# Altium PCB higgs.PcbDoc (part 2 of 25)
Units mm, origin at the board's own origin, x right, y up, seen from the top; angles counter-clockwise.
Board outline 160 x 160 mm, 15 copper layers (TOP, P1(GND), S1(V), P2(GND), S2(H), P3(GND), S3(V12/V2V5), S4(VDDR), P4(GND), S5(V), P5(GND), S6(H), P6(GND), P1(GND) (Plane1), BOT), stack 3.262 mm thick; 1283 components, 2419 nets, 11066 pads, 5487 vias.
Unrouted connection lines stored in the file: 239.
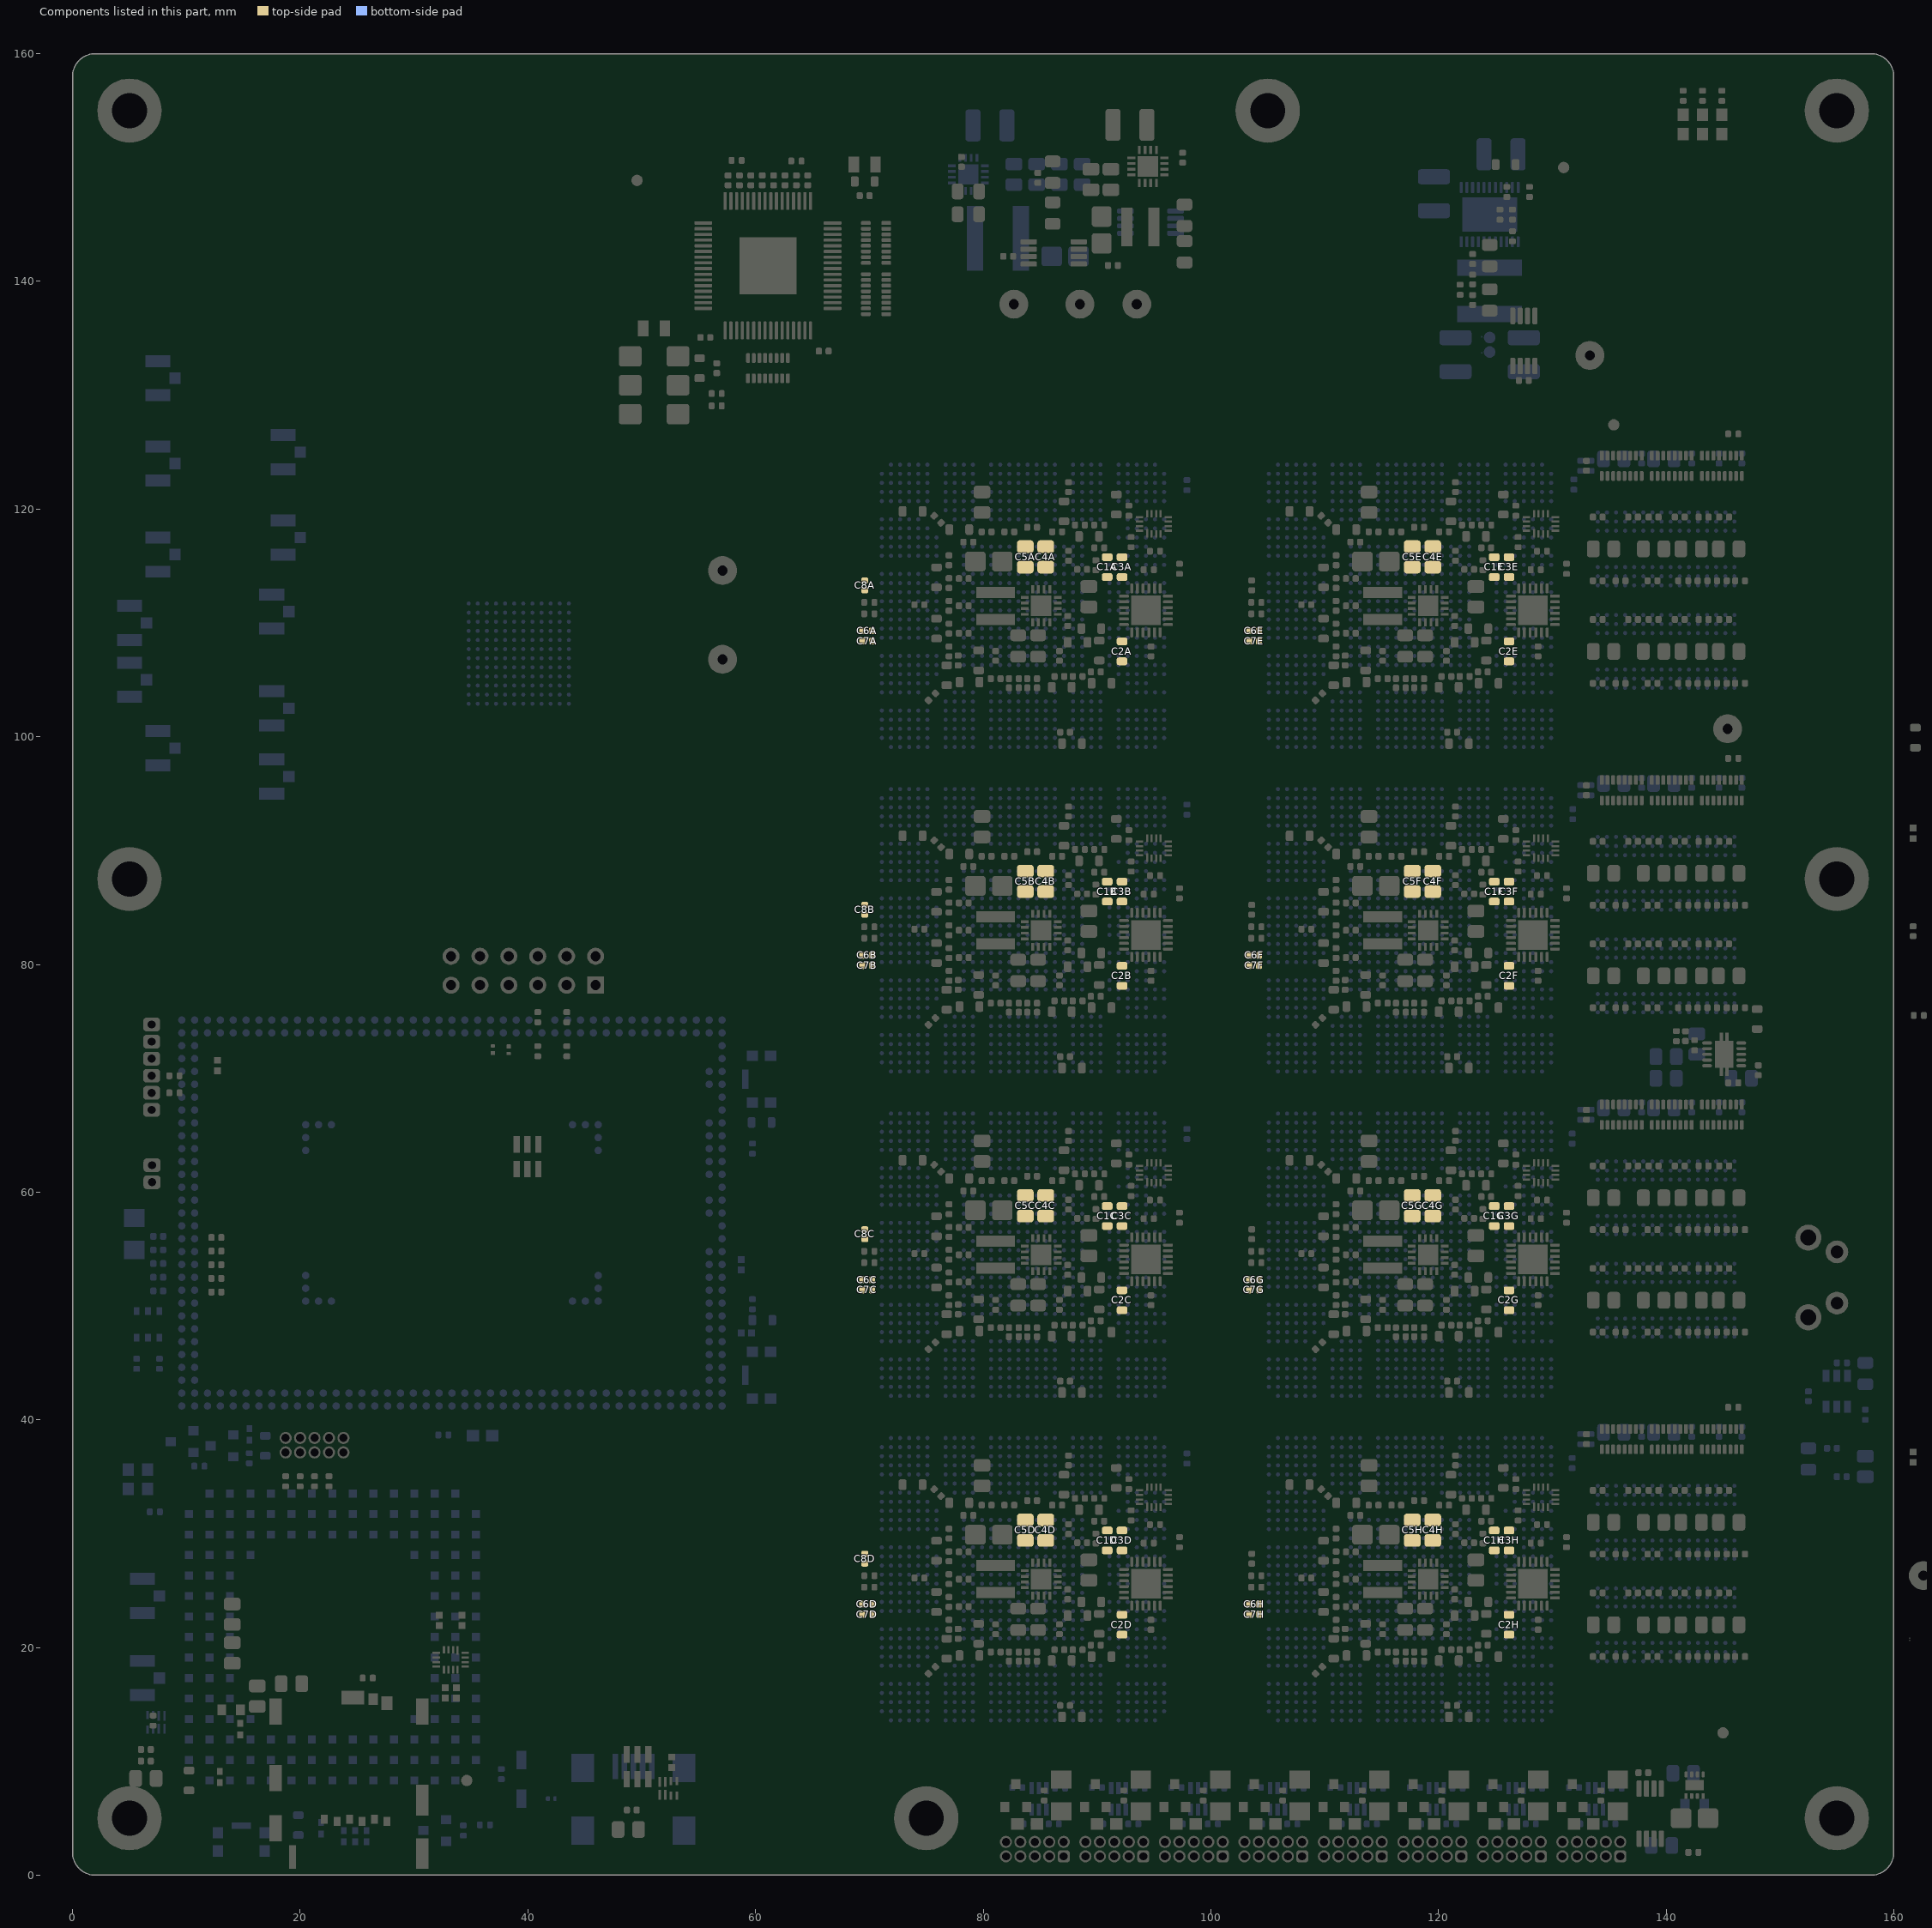
[diagram p15: the components of this part, seen from the top]

## Classes and differential pairs (continued)
net class loose: IL07_30.LR.G0.D0_N IL07_30.LR.G0.D0_P IL07_30.LR.G0.D1_N IL07_30.LR.G0.D1_P IL07_30.LR.G0.D2_N IL07_30.LR.G0.D2_P IL07_30.LR.G0.D3_N IL07_30.LR.G0.D3_P IL07_30.LR.G0.D4_N IL07_30.LR.G0.D4_P IL07_30.LR.G0.S_N IL07_30.LR.G0.S_P IL07_30.LR.G1.D0_N IL07_30.LR.G1.D0_P IL07_30.LR.G1.D1_N IL07_30.LR.G1.D1_P IL07_30.LR.G1.D2_N IL07_30.LR.G1.D2_P IL07_30.LR.G1.D3_N IL07_30.LR.G1.D3_P IL07_30.LR.G1.D4_N IL07_30.LR.G1.D4_P IL07_30.LR.G1.S_N IL07_30.LR.G1.S_P IL07_30.LR.G2.D0_N IL07_30.LR.G2.D0_P IL07_30.LR.G2.D1_N IL07_30.LR.G2.D1_P IL07_30.LR.G2.D2_N IL07_30.LR.G2.D2_P IL07_30.LR.G2.D3_N IL07_30.LR.G2.D3_P IL07_30.LR.G2.D4_N IL07_30.LR.G2.D4_P IL07_30.LR.G2.S_N IL07_30.LR.G2.S_P IL07_30.LR.G3.D0_N IL07_30.LR.G3.D0_P IL07_30.LR.G3.D1_N IL07_30.LR.G3.D1_P IL07_30.LR.G3.D2_N IL07_30.LR.G3.D2_P IL07_30.LR.G3.D3_N IL07_30.LR.G3.D3_P IL07_30.LR.G3.D4_N IL07_30.LR.G3.D4_P IL07_30.LR.G3.S_N IL07_30.LR.G3.S_P IL07_30.TB.G8.D0_N IL07_30.TB.G8.D0_P IL07_30.TB.G8.D1_N IL07_30.TB.G8.D1_P IL07_30.TB.G8.D2_N IL07_30.TB.G8.D2_P IL07_30.TB.G8.D3_N IL07_30.TB.G8.D3_P IL07_30.TB.G13.C_N IL07_30.TB.G13.C_P IL07_30.TB.G13.D0_N IL07_30.TB.G13.D0_P IL07_30.TB.G13.D1_N IL07_30.TB.G13.D1_P IL07_30.TB.G13.D2_N IL07_30.TB.G13.D2_P IL07_30.TB.G13.D3_N IL07_30.TB.G13.D3_P IL07_30.TB.G13.D4_N IL07_30.TB.G13.D4_P IL07_30.TB.G13.D5_N IL07_30.TB.G13.D5_P IL07_31.LR.G0.D0_N IL07_31.LR.G0.D0_P IL07_31.LR.G0.D1_N IL07_31.LR.G0.D1_P IL07_31.LR.G0.D2_N IL07_31.LR.G0.D2_P IL07_31.LR.G0.D3_N IL07_31.LR.G0.D3_P IL07_31.LR.G0.D4_N IL07_31.LR.G0.D4_P IL07_31.LR.G0.S_N IL07_31.LR.G0.S_P IL07_31.LR.G1.D0_N IL07_31.LR.G1.D0_P IL07_31.LR.G1.D1_N IL07_31.LR.G1.D1_P IL07_31.LR.G1.D2_N IL07_31.LR.G1.D2_P IL07_31.LR.G1.D3_N IL07_31.LR.G1.D3_P IL07_31.LR.G1.D4_N IL07_31.LR.G1.D4_P IL07_31.LR.G1.S_N IL07_31.LR.G1.S_P IL07_31.LR.G2.D0_N IL07_31.LR.G2.D0_P IL07_31.LR.G2.D1_N IL07_31.LR.G2.D1_P IL07_31.LR.G2.D2_N IL07_31.LR.G2.D2_P IL07_31.LR.G2.D3_N IL07_31.LR.G2.D3_P IL07_31.LR.G2.D4_N IL07_31.LR.G2.D4_P IL07_31.LR.G2.S_N IL07_31.LR.G2.S_P IL07_31.LR.G3.D0_N IL07_31.LR.G3.D0_P IL07_31.LR.G3.D1_N IL07_31.LR.G3.D1_P IL07_31.LR.G3.D2_N IL07_31.LR.G3.D2_P IL07_31.LR.G3.D3_N IL07_31.LR.G3.D3_P IL07_31.LR.G3.D4_N IL07_31.LR.G3.D4_P IL07_31.LR.G3.S_N IL07_31.LR.G3.S_P IL07_31.TB.G8.D0_N IL07_31.TB.G8.D0_P IL07_31.TB.G8.D1_N IL07_31.TB.G8.D1_P IL07_31.TB.G8.D2_N IL07_31.TB.G8.D2_P IL07_31.TB.G8.D3_N IL07_31.TB.G8.D3_P IL07_31.TB.G13.C_N IL07_31.TB.G13.C_P IL07_31.TB.G13.D0_N IL07_31.TB.G13.D0_P IL07_31.TB.G13.D1_N IL07_31.TB.G13.D1_P IL07_31.TB.G13.D2_N IL07_31.TB.G13.D2_P IL07_31.TB.G13.D3_N IL07_31.TB.G13.D3_P IL07_31.TB.G13.D4_N IL07_31.TB.G13.D4_P IL07_31.TB.G13.D5_N IL07_31.TB.G13.D5_P IL07_32.LR.G0.D0_N IL07_32.LR.G0.D0_P IL07_32.LR.G0.D1_N IL07_32.LR.G0.D1_P IL07_32.LR.G0.D2_N IL07_32.LR.G0.D2_P IL07_32.LR.G0.D3_N IL07_32.LR.G0.D3_P IL07_32.LR.G0.D4_N IL07_32.LR.G0.D4_P IL07_32.LR.G0.S_N IL07_32.LR.G0.S_P IL07_32.LR.G1.D0_N IL07_32.LR.G1.D0_P IL07_32.LR.G1.D1_N IL07_32.LR.G1.D1_P IL07_32.LR.G1.D2_N IL07_32.LR.G1.D2_P IL07_32.LR.G1.D3_N IL07_32.LR.G1.D3_P IL07_32.LR.G1.D4_N IL07_32.LR.G1.D4_P IL07_32.LR.G1.S_N IL07_32.LR.G1.S_P IL07_32.LR.G2.D0_N IL07_32.LR.G2.D0_P IL07_32.LR.G2.D1_N IL07_32.LR.G2.D1_P IL07_32.LR.G2.D2_N IL07_32.LR.G2.D2_P IL07_32.LR.G2.D3_N IL07_32.LR.G2.D3_P IL07_32.LR.G2.D4_N IL07_32.LR.G2.D4_P IL07_32.LR.G2.S_N IL07_32.LR.G2.S_P IL07_32.LR.G3.D0_N IL07_32.LR.G3.D0_P IL07_32.LR.G3.D1_N IL07_32.LR.G3.D1_P IL07_32.LR.G3.D2_N IL07_32.LR.G3.D2_P IL07_32.LR.G3.D3_N IL07_32.LR.G3.D3_P IL07_32.LR.G3.D4_N IL07_32.LR.G3.D4_P IL07_32.LR.G3.S_N IL07_32.LR.G3.S_P IL07_32.TB.G8.D0_N IL07_32.TB.G8.D0_P IL07_32.TB.G8.D1_N IL07_32.TB.G8.D1_P IL07_32.TB.G8.D2_N IL07_32.TB.G8.D2_P IL07_32.TB.G8.D3_N IL07_32.TB.G8.D3_P IL07_32.TB.G13.C_N IL07_32.TB.G13.C_P IL07_32.TB.G13.D0_N IL07_32.TB.G13.D0_P IL07_32.TB.G13.D1_N IL07_32.TB.G13.D1_P IL07_32.TB.G13.D2_N IL07_32.TB.G13.D2_P IL07_32.TB.G13.D3_N IL07_32.TB.G13.D3_P IL07_32.TB.G13.D4_N IL07_32.TB.G13.D4_P IL07_32.TB.G13.D5_N IL07_32.TB.G13.D5_P IL07_33.LR.G0.D0_N IL07_33.LR.G0.D0_P IL07_33.LR.G0.D1_N IL07_33.LR.G0.D1_P IL07_33.LR.G0.D2_N IL07_33.LR.G0.D2_P IL07_33.LR.G0.D3_N IL07_33.LR.G0.D3_P IL07_33.LR.G0.D4_N IL07_33.LR.G0.D4_P IL07_33.LR.G0.S_N IL07_33.LR.G0.S_P IL07_33.LR.G1.D0_N IL07_33.LR.G1.D0_P IL07_33.LR.G1.D1_N IL07_33.LR.G1.D1_P IL07_33.LR.G1.D2_N IL07_33.LR.G1.D2_P IL07_33.LR.G1.D3_N IL07_33.LR.G1.D3_P IL07_33.LR.G1.D4_N IL07_33.LR.G1.D4_P IL07_33.LR.G1.S_N IL07_33.LR.G1.S_P IL07_33.LR.G2.D0_N IL07_33.LR.G2.D0_P IL07_33.LR.G2.D1_N IL07_33.LR.G2.D1_P IL07_33.LR.G2.D2_N IL07_33.LR.G2.D2_P IL07_33.LR.G2.D3_N IL07_33.LR.G2.D3_P IL07_33.LR.G2.D4_N IL07_33.LR.G2.D4_P IL07_33.LR.G2.S_N IL07_33.LR.G2.S_P IL07_33.LR.G3.D0_N IL07_33.LR.G3.D0_P IL07_33.LR.G3.D1_N IL07_33.LR.G3.D1_P IL07_33.LR.G3.D2_N IL07_33.LR.G3.D2_P IL07_33.LR.G3.D3_N IL07_33.LR.G3.D3_P IL07_33.LR.G3.D4_N IL07_33.LR.G3.D4_P IL07_33.LR.G3.S_N IL07_33.LR.G3.S_P IL07_33.TB.G8.D0_N IL07_33.TB.G8.D0_P IL07_33.TB.G8.D1_N IL07_33.TB.G8.D1_P IL07_33.TB.G8.D2_N IL07_33.TB.G8.D2_P IL07_33.TB.G8.D3_N IL07_33.TB.G8.D3_P IL07_33.TB.G13.C_N IL07_33.TB.G13.C_P IL07_33.TB.G13.D0_N IL07_33.TB.G13.D0_P IL07_33.TB.G13.D1_N IL07_33.TB.G13.D1_P IL07_33.TB.G13.D2_N IL07_33.TB.G13.D2_P IL07_33.TB.G13.D3_N IL07_33.TB.G13.D3_P IL07_33.TB.G13.D4_N IL07_33.TB.G13.D4_P IL07_33.TB.G13.D5_N IL07_33.TB.G13.D5_P IL12_20.LR.G0.D0_N IL12_20.LR.G0.D0_P IL12_20.LR.G0.D1_N IL12_20.LR.G0.D1_P IL12_20.LR.G0.D2_N IL12_20.LR.G0.D2_P IL12_20.LR.G0.D3_N IL12_20.LR.G0.D3_P IL12_20.LR.G0.D4_N IL12_20.LR.G0.D4_P IL12_20.LR.G0.S_N IL12_20.LR.G0.S_P IL12_20.LR.G1.D0_N IL12_20.LR.G1.D0_P IL12_20.LR.G1.D1_N IL12_20.LR.G1.D1_P IL12_20.LR.G1.D2_N IL12_20.LR.G1.D2_P IL12_20.LR.G1.D3_N IL12_20.LR.G1.D3_P IL12_20.LR.G1.D4_N IL12_20.LR.G1.D4_P IL12_20.LR.G1.S_N IL12_20.LR.G1.S_P IL12_20.LR.G2.D0_N IL12_20.LR.G2.D0_P IL12_20.LR.G2.D1_N IL12_20.LR.G2.D1_P IL12_20.LR.G2.D2_N IL12_20.LR.G2.D2_P IL12_20.LR.G2.D3_N IL12_20.LR.G2.D3_P IL12_20.LR.G2.D4_N IL12_20.LR.G2.D4_P IL12_20.LR.G2.S_N IL12_20.LR.G2.S_P IL12_20.LR.G3.D0_N IL12_20.LR.G3.D0_P IL12_20.LR.G3.D1_N IL12_20.LR.G3.D1_P IL12_20.LR.G3.D2_N IL12_20.LR.G3.D2_P IL12_20.LR.G3.D3_N IL12_20.LR.G3.D3_P IL12_20.LR.G3.D4_N IL12_20.LR.G3.D4_P IL12_20.LR.G3.S_N IL12_20.LR.G3.S_P IL12_20.TB.G8.D0_N IL12_20.TB.G8.D0_P IL12_20.TB.G8.D1_N IL12_20.TB.G8.D1_P IL12_20.TB.G8.D2_N IL12_20.TB.G8.D2_P IL12_20.TB.G8.D3_N IL12_20.TB.G8.D3_P IL12_20.TB.G13.C_N IL12_20.TB.G13.C_P IL12_20.TB.G13.D0_N IL12_20.TB.G13.D0_P IL12_20.TB.G13.D1_N IL12_20.TB.G13.D1_P IL12_20.TB.G13.D2_N IL12_20.TB.G13.D2_P IL12_20.TB.G13.D3_N IL12_20.TB.G13.D3_P IL12_20.TB.G13.D4_N IL12_20.TB.G13.D4_P IL12_20.TB.G13.D5_N IL12_20.TB.G13.D5_P IL12_21.LR.G0.D0_N IL12_21.LR.G0.D0_P IL12_21.LR.G0.D1_N IL12_21.LR.G0.D1_P IL12_21.LR.G0.D2_N IL12_21.LR.G0.D2_P IL12_21.LR.G0.D3_N IL12_21.LR.G0.D3_P IL12_21.LR.G0.D4_N IL12_21.LR.G0.D4_P IL12_21.LR.G0.S_N IL12_21.LR.G0.S_P IL12_21.LR.G1.D0_N IL12_21.LR.G1.D0_P IL12_21.LR.G1.D1_N IL12_21.LR.G1.D1_P IL12_21.LR.G1.D2_N IL12_21.LR.G1.D2_P IL12_21.LR.G1.D3_N IL12_21.LR.G1.D3_P IL12_21.LR.G1.D4_N IL12_21.LR.G1.D4_P IL12_21.LR.G1.S_N IL12_21.LR.G1.S_P IL12_21.LR.G2.D0_N IL12_21.LR.G2.D0_P IL12_21.LR.G2.D1_N IL12_21.LR.G2.D1_P IL12_21.LR.G2.D2_N IL12_21.LR.G2.D2_P IL12_21.LR.G2.D3_N IL12_21.LR.G2.D3_P IL12_21.LR.G2.D4_N IL12_21.LR.G2.D4_P IL12_21.LR.G2.S_N IL12_21.LR.G2.S_P IL12_21.LR.G3.D0_N IL12_21.LR.G3.D0_P IL12_21.LR.G3.D1_N IL12_21.LR.G3.D1_P IL12_21.LR.G3.D2_N IL12_21.LR.G3.D2_P IL12_21.LR.G3.D3_N IL12_21.LR.G3.D3_P IL12_21.LR.G3.D4_N IL12_21.LR.G3.D4_P IL12_21.LR.G3.S_N IL12_21.LR.G3.S_P IL12_21.TB.G8.D0_N IL12_21.TB.G8.D0_P IL12_21.TB.G8.D1_N IL12_21.TB.G8.D1_P IL12_21.TB.G8.D2_N IL12_21.TB.G8.D2_P IL12_21.TB.G8.D3_N IL12_21.TB.G8.D3_P IL12_21.TB.G13.C_N IL12_21.TB.G13.C_P IL12_21.TB.G13.D0_N IL12_21.TB.G13.D0_P IL12_21.TB.G13.D1_N IL12_21.TB.G13.D1_P IL12_21.TB.G13.D2_N IL12_21.TB.G13.D2_P IL12_21.TB.G13.D3_N IL12_21.TB.G13.D3_P IL12_21.TB.G13.D4_N IL12_21.TB.G13.D4_P IL12_21.TB.G13.D5_N IL12_21.TB.G13.D5_P IL12_22.LR.G0.D0_N IL12_22.LR.G0.D0_P IL12_22.LR.G0.D1_N IL12_22.LR.G0.D1_P IL12_22.LR.G0.D2_N IL12_22.LR.G0.D2_P IL12_22.LR.G0.D3_N IL12_22.LR.G0.D3_P IL12_22.LR.G0.D4_N IL12_22.LR.G0.D4_P IL12_22.LR.G0.S_N IL12_22.LR.G0.S_P IL12_22.LR.G1.D0_N IL12_22.LR.G1.D0_P IL12_22.LR.G1.D1_N IL12_22.LR.G1.D1_P IL12_22.LR.G1.D2_N IL12_22.LR.G1.D2_P IL12_22.LR.G1.D3_N IL12_22.LR.G1.D3_P IL12_22.LR.G1.D4_N IL12_22.LR.G1.D4_P IL12_22.LR.G1.S_N IL12_22.LR.G1.S_P IL12_22.LR.G2.D0_N IL12_22.LR.G2.D0_P IL12_22.LR.G2.D1_N IL12_22.LR.G2.D1_P IL12_22.LR.G2.D2_N IL12_22.LR.G2.D2_P IL12_22.LR.G2.D3_N IL12_22.LR.G2.D3_P IL12_22.LR.G2.D4_N IL12_22.LR.G2.D4_P IL12_22.LR.G2.S_N IL12_22.LR.G2.S_P IL12_22.LR.G3.D0_N IL12_22.LR.G3.D0_P IL12_22.LR.G3.D1_N IL12_22.LR.G3.D1_P IL12_22.LR.G3.D2_N IL12_22.LR.G3.D2_P IL12_22.LR.G3.D3_N IL12_22.LR.G3.D3_P IL12_22.LR.G3.D4_N IL12_22.LR.G3.D4_P IL12_22.LR.G3.S_N IL12_22.LR.G3.S_P IL12_22.TB.G8.D0_N IL12_22.TB.G8.D0_P IL12_22.TB.G8.D1_N IL12_22.TB.G8.D1_P IL12_22.TB.G8.D2_N IL12_22.TB.G8.D2_P IL12_22.TB.G8.D3_N IL12_22.TB.G8.D3_P IL12_22.TB.G13.C_N IL12_22.TB.G13.C_P IL12_22.TB.G13.D0_N IL12_22.TB.G13.D0_P IL12_22.TB.G13.D1_N IL12_22.TB.G13.D1_P IL12_22.TB.G13.D2_N IL12_22.TB.G13.D2_P IL12_22.TB.G13.D3_N IL12_22.TB.G13.D3_P IL12_22.TB.G13.D4_N IL12_22.TB.G13.D4_P IL12_22.TB.G13.D5_N IL12_22.TB.G13.D5_P IL12_30.LR.G0.D0_N IL12_30.LR.G0.D0_P IL12_30.LR.G0.D1_N IL12_30.LR.G0.D1_P IL12_30.LR.G0.D2_N IL12_30.LR.G0.D2_P IL12_30.LR.G0.D3_N IL12_30.LR.G0.D3_P IL12_30.LR.G0.D4_N IL12_30.LR.G0.D4_P IL12_30.LR.G0.S_N IL12_30.LR.G0.S_P IL12_30.LR.G1.D0_N IL12_30.LR.G1.D0_P IL12_30.LR.G1.D1_N IL12_30.LR.G1.D1_P IL12_30.LR.G1.D2_N IL12_30.LR.G1.D2_P IL12_30.LR.G1.D3_N IL12_30.LR.G1.D3_P IL12_30.LR.G1.D4_N IL12_30.LR.G1.D4_P IL12_30.LR.G1.S_N IL12_30.LR.G1.S_P IL12_30.LR.G2.D0_N IL12_30.LR.G2.D0_P IL12_30.LR.G2.D1_N IL12_30.LR.G2.D1_P IL12_30.LR.G2.D2_N IL12_30.LR.G2.D2_P IL12_30.LR.G2.D3_N IL12_30.LR.G2.D3_P IL12_30.LR.G2.D4_N IL12_30.LR.G2.D4_P IL12_30.LR.G2.S_N IL12_30.LR.G2.S_P IL12_30.LR.G3.D0_N IL12_30.LR.G3.D0_P IL12_30.LR.G3.D1_N IL12_30.LR.G3.D1_P IL12_30.LR.G3.D2_N IL12_30.LR.G3.D2_P IL12_30.LR.G3.D3_N IL12_30.LR.G3.D3_P IL12_30.LR.G3.D4_N IL12_30.LR.G3.D4_P IL12_30.LR.G3.S_N IL12_30.LR.G3.S_P IL12_30.TB.G8.D0_N IL12_30.TB.G8.D0_P IL12_30.TB.G8.D1_N IL12_30.TB.G8.D1_P IL12_30.TB.G8.D2_N IL12_30.TB.G8.D2_P IL12_30.TB.G8.D3_N IL12_30.TB.G8.D3_P IL12_30.TB.G13.C_N IL12_30.TB.G13.C_P IL12_30.TB.G13.D0_N IL12_30.TB.G13.D0_P IL12_30.TB.G13.D1_N IL12_30.TB.G13.D1_P IL12_30.TB.G13.D2_N IL12_30.TB.G13.D2_P IL12_30.TB.G13.D3_N IL12_30.TB.G13.D3_P IL12_30.TB.G13.D4_N IL12_30.TB.G13.D4_P IL12_30.TB.G13.D5_N IL12_30.TB.G13.D5_P IL12_31.LR.G0.D0_N IL12_31.LR.G0.D0_P IL12_31.LR.G0.D1_N IL12_31.LR.G0.D1_P IL12_31.LR.G0.D2_N IL12_31.LR.G0.D2_P IL12_31.LR.G0.D3_N IL12_31.LR.G0.D3_P IL12_31.LR.G0.D4_N IL12_31.LR.G0.D4_P IL12_31.LR.G0.S_N IL12_31.LR.G0.S_P IL12_31.LR.G1.D0_N IL12_31.LR.G1.D0_P IL12_31.LR.G1.D1_N IL12_31.LR.G1.D1_P IL12_31.LR.G1.D2_N IL12_31.LR.G1.D2_P IL12_31.LR.G1.D3_N IL12_31.LR.G1.D3_P IL12_31.LR.G1.D4_N IL12_31.LR.G1.D4_P IL12_31.LR.G1.S_N IL12_31.LR.G1.S_P IL12_31.LR.G2.D0_N IL12_31.LR.G2.D0_P IL12_31.LR.G2.D1_N IL12_31.LR.G2.D1_P IL12_31.LR.G2.D2_N IL12_31.LR.G2.D2_P IL12_31.LR.G2.D3_N IL12_31.LR.G2.D3_P IL12_31.LR.G2.D4_N IL12_31.LR.G2.D4_P IL12_31.LR.G2.S_N IL12_31.LR.G2.S_P IL12_31.LR.G3.D0_N IL12_31.LR.G3.D0_P IL12_31.LR.G3.D1_N IL12_31.LR.G3.D1_P IL12_31.LR.G3.D2_N IL12_31.LR.G3.D2_P IL12_31.LR.G3.D3_N IL12_31.LR.G3.D3_P IL12_31.LR.G3.D4_N IL12_31.LR.G3.D4_P IL12_31.LR.G3.S_N IL12_31.LR.G3.S_P IL12_31.TB.G8.D0_N IL12_31.TB.G8.D0_P IL12_31.TB.G8.D1_N IL12_31.TB.G8.D1_P IL12_31.TB.G8.D2_N IL12_31.TB.G8.D2_P IL12_31.TB.G8.D3_N IL12_31.TB.G8.D3_P IL12_31.TB.G13.C_N IL12_31.TB.G13.C_P IL12_31.TB.G13.D0_N IL12_31.TB.G13.D0_P IL12_31.TB.G13.D1_N IL12_31.TB.G13.D1_P IL12_31.TB.G13.D2_N IL12_31.TB.G13.D2_P IL12_31.TB.G13.D3_N IL12_31.TB.G13.D3_P IL12_31.TB.G13.D4_N IL12_31.TB.G13.D4_P IL12_31.TB.G13.D5_N IL12_31.TB.G13.D5_P IL12_32.LR.G0.D0_N IL12_32.LR.G0.D0_P IL12_32.LR.G0.D1_N IL12_32.LR.G0.D1_P IL12_32.LR.G0.D2_N IL12_32.LR.G0.D2_P IL12_32.LR.G0.D3_N IL12_32.LR.G0.D3_P IL12_32.LR.G0.D4_N IL12_32.LR.G0.D4_P IL12_32.LR.G0.S_N IL12_32.LR.G0.S_P IL12_32.LR.G1.D0_N IL12_32.LR.G1.D0_P IL12_32.LR.G1.D1_N IL12_32.LR.G1.D1_P IL12_32.LR.G1.D2_N IL12_32.LR.G1.D2_P IL12_32.LR.G1.D3_N IL12_32.LR.G1.D3_P IL12_32.LR.G1.D4_N IL12_32.LR.G1.D4_P IL12_32.LR.G1.S_N IL12_32.LR.G1.S_P IL12_32.LR.G2.D0_N IL12_32.LR.G2.D0_P IL12_32.LR.G2.D1_N IL12_32.LR.G2.D1_P IL12_32.LR.G2.D2_N IL12_32.LR.G2.D2_P IL12_32.LR.G2.D3_N IL12_32.LR.G2.D3_P IL12_32.LR.G2.D4_N IL12_32.LR.G2.D4_P IL12_32.LR.G2.S_N IL12_32.LR.G2.S_P IL12_32.LR.G3.D0_N IL12_32.LR.G3.D0_P IL12_32.LR.G3.D1_N IL12_32.LR.G3.D1_P IL12_32.LR.G3.D2_N IL12_32.LR.G3.D2_P IL12_32.LR.G3.D3_N IL12_32.LR.G3.D3_P IL12_32.LR.G3.D4_N IL12_32.LR.G3.D4_P IL12_32.LR.G3.S_N IL12_32.LR.G3.S_P IL12_32.TB.G8.D0_N IL12_32.TB.G8.D0_P IL12_32.TB.G8.D1_N IL12_32.TB.G8.D1_P IL12_32.TB.G8.D2_N IL12_32.TB.G8.D2_P IL12_32.TB.G8.D3_N IL12_32.TB.G8.D3_P IL12_32.TB.G13.C_N IL12_32.TB.G13.C_P IL12_32.TB.G13.D0_N IL12_32.TB.G13.D0_P IL12_32.TB.G13.D1_N IL12_32.TB.G13.D1_P IL12_32.TB.G13.D2_N IL12_32.TB.G13.D2_P IL12_32.TB.G13.D3_N IL12_32.TB.G13.D3_P IL12_32.TB.G13.D4_N IL12_32.TB.G13.D4_P IL12_32.TB.G13.D5_N IL12_32.TB.G13.D5_P
channel class fpga-power: FPGAPOWER1 FPGAPOWER2 FPGAPOWER3 FPGAPOWER4 FPGAPOWER5 FPGAPOWER6 FPGAPOWER7 FPGAPOWER8 FPGAPOWER9 FPGAPOWER10 FPGAPOWER11 FPGAPOWER12 FPGAPOWER13 FPGAPOWER14 FPGAPOWER15 FPGAPOWER16 FPGAPOWER17
differential pair XUSB3_D: +XUSB3_D_P -XUSB3_D_N
differential pair XUHOST1_D: +XUHOST1_D_P -XUHOST1_D_N
differential pair OBCLK: +OBCLK_P -OBCLK_N
differential pair OBCLK_C: +OBCLK_C_P -OBCLK_C_N
differential pair MCLK_C: +MCLK_C_P -MCLK_C_N
differential pair CLKCFG.C: +CLKCFG.C_P -CLKCFG.C_N
differential pair CLK33.C: +CLK33.C_P -CLK33.C_N
differential pair CLK32.C: +CLK32.C_P -CLK32.C_N
differential pair CLK31.C: +CLK31.C_P -CLK31.C_N
differential pair CLK30.C: +CLK30.C_P -CLK30.C_N
differential pair CLK23.C: +CLK23.C_P -CLK23.C_N
differential pair CLK22.C: +CLK22.C_P -CLK22.C_N
differential pair CLK21.C: +CLK21.C_P -CLK21.C_N
differential pair CLK20.C: +CLK20.C_P -CLK20.C_N
differential pair IL07_30.LR.G0.D0: +IL07_30.LR.G0.D0_P -IL07_30.LR.G0.D0_N
differential pair IL07_30.LR.G0.D1: +IL07_30.LR.G0.D1_P -IL07_30.LR.G0.D1_N
differential pair IL07_30.LR.G0.D2: +IL07_30.LR.G0.D2_P -IL07_30.LR.G0.D2_N
differential pair IL07_30.LR.G0.D3: +IL07_30.LR.G0.D3_P -IL07_30.LR.G0.D3_N
differential pair IL07_30.LR.G0.D4: +IL07_30.LR.G0.D4_P -IL07_30.LR.G0.D4_N
differential pair IL07_30.LR.G0.S: +IL07_30.LR.G0.S_P -IL07_30.LR.G0.S_N
differential pair IL07_30.LR.G1.D0: +IL07_30.LR.G1.D0_P -IL07_30.LR.G1.D0_N
differential pair IL07_30.LR.G1.D1: +IL07_30.LR.G1.D1_P -IL07_30.LR.G1.D1_N
differential pair IL07_30.LR.G1.D2: +IL07_30.LR.G1.D2_P -IL07_30.LR.G1.D2_N
differential pair IL07_30.LR.G1.D3: +IL07_30.LR.G1.D3_P -IL07_30.LR.G1.D3_N
differential pair IL07_30.LR.G1.D4: +IL07_30.LR.G1.D4_P -IL07_30.LR.G1.D4_N
differential pair IL07_30.LR.G1.S: +IL07_30.LR.G1.S_P -IL07_30.LR.G1.S_N
differential pair IL07_30.LR.G2.D0: +IL07_30.LR.G2.D0_P -IL07_30.LR.G2.D0_N
differential pair IL07_30.LR.G2.D1: +IL07_30.LR.G2.D1_P -IL07_30.LR.G2.D1_N
differential pair IL07_30.LR.G2.D2: +IL07_30.LR.G2.D2_P -IL07_30.LR.G2.D2_N
differential pair IL07_30.LR.G2.D3: +IL07_30.LR.G2.D3_P -IL07_30.LR.G2.D3_N
differential pair IL07_30.LR.G2.D4: +IL07_30.LR.G2.D4_P -IL07_30.LR.G2.D4_N
differential pair IL07_30.LR.G2.S: +IL07_30.LR.G2.S_P -IL07_30.LR.G2.S_N
differential pair IL07_30.LR.G3.D0: +IL07_30.LR.G3.D0_P -IL07_30.LR.G3.D0_N
differential pair IL07_30.LR.G3.D1: +IL07_30.LR.G3.D1_P -IL07_30.LR.G3.D1_N
differential pair IL07_30.LR.G3.D2: +IL07_30.LR.G3.D2_P -IL07_30.LR.G3.D2_N
differential pair IL07_30.LR.G3.D3: +IL07_30.LR.G3.D3_P -IL07_30.LR.G3.D3_N
differential pair IL07_30.LR.G3.D4: +IL07_30.LR.G3.D4_P -IL07_30.LR.G3.D4_N
differential pair IL07_30.LR.G3.S: +IL07_30.LR.G3.S_P -IL07_30.LR.G3.S_N
differential pair IL07_30.TB.G8.D0: +IL07_30.TB.G8.D0_P -IL07_30.TB.G8.D0_N
differential pair IL07_30.TB.G8.D1: +IL07_30.TB.G8.D1_P -IL07_30.TB.G8.D1_N
differential pair IL07_30.TB.G8.D2: +IL07_30.TB.G8.D2_P -IL07_30.TB.G8.D2_N
differential pair IL07_30.TB.G8.D3: +IL07_30.TB.G8.D3_P -IL07_30.TB.G8.D3_N
differential pair IL07_30.TB.G13.C: +IL07_30.TB.G13.C_P -IL07_30.TB.G13.C_N
differential pair IL07_30.TB.G13.D0: +IL07_30.TB.G13.D0_P -IL07_30.TB.G13.D0_N
differential pair IL07_30.TB.G13.D1: +IL07_30.TB.G13.D1_P -IL07_30.TB.G13.D1_N
differential pair IL07_30.TB.G13.D2: +IL07_30.TB.G13.D2_P -IL07_30.TB.G13.D2_N
differential pair IL07_30.TB.G13.D3: +IL07_30.TB.G13.D3_P -IL07_30.TB.G13.D3_N
differential pair IL07_30.TB.G13.D4: +IL07_30.TB.G13.D4_P -IL07_30.TB.G13.D4_N
differential pair IL07_30.TB.G13.D5: +IL07_30.TB.G13.D5_P -IL07_30.TB.G13.D5_N
differential pair IL07_31.LR.G0.D0: +IL07_31.LR.G0.D0_P -IL07_31.LR.G0.D0_N
differential pair IL07_31.LR.G0.D1: +IL07_31.LR.G0.D1_P -IL07_31.LR.G0.D1_N
differential pair IL07_31.LR.G0.D2: +IL07_31.LR.G0.D2_P -IL07_31.LR.G0.D2_N
differential pair IL07_31.LR.G0.D3: +IL07_31.LR.G0.D3_P -IL07_31.LR.G0.D3_N
differential pair IL07_31.LR.G0.D4: +IL07_31.LR.G0.D4_P -IL07_31.LR.G0.D4_N
differential pair IL07_31.LR.G0.S: +IL07_31.LR.G0.S_P -IL07_31.LR.G0.S_N
differential pair IL07_31.LR.G1.D0: +IL07_31.LR.G1.D0_P -IL07_31.LR.G1.D0_N
differential pair IL07_31.LR.G1.D1: +IL07_31.LR.G1.D1_P -IL07_31.LR.G1.D1_N
differential pair IL07_31.LR.G1.D2: +IL07_31.LR.G1.D2_P -IL07_31.LR.G1.D2_N
differential pair IL07_31.LR.G1.D3: +IL07_31.LR.G1.D3_P -IL07_31.LR.G1.D3_N
differential pair IL07_31.LR.G1.D4: +IL07_31.LR.G1.D4_P -IL07_31.LR.G1.D4_N
differential pair IL07_31.LR.G1.S: +IL07_31.LR.G1.S_P -IL07_31.LR.G1.S_N
differential pair IL07_31.LR.G2.D0: +IL07_31.LR.G2.D0_P -IL07_31.LR.G2.D0_N
differential pair IL07_31.LR.G2.D1: +IL07_31.LR.G2.D1_P -IL07_31.LR.G2.D1_N
differential pair IL07_31.LR.G2.D2: +IL07_31.LR.G2.D2_P -IL07_31.LR.G2.D2_N
differential pair IL07_31.LR.G2.D3: +IL07_31.LR.G2.D3_P -IL07_31.LR.G2.D3_N
differential pair IL07_31.LR.G2.D4: +IL07_31.LR.G2.D4_P -IL07_31.LR.G2.D4_N
differential pair IL07_31.LR.G2.S: +IL07_31.LR.G2.S_P -IL07_31.LR.G2.S_N
differential pair IL07_31.LR.G3.D0: +IL07_31.LR.G3.D0_P -IL07_31.LR.G3.D0_N
differential pair IL07_31.LR.G3.D1: +IL07_31.LR.G3.D1_P -IL07_31.LR.G3.D1_N
differential pair IL07_31.LR.G3.D2: +IL07_31.LR.G3.D2_P -IL07_31.LR.G3.D2_N
differential pair IL07_31.LR.G3.D3: +IL07_31.LR.G3.D3_P -IL07_31.LR.G3.D3_N
differential pair IL07_31.LR.G3.D4: +IL07_31.LR.G3.D4_P -IL07_31.LR.G3.D4_N
differential pair IL07_31.LR.G3.S: +IL07_31.LR.G3.S_P -IL07_31.LR.G3.S_N
differential pair IL07_31.TB.G8.D0: +IL07_31.TB.G8.D0_P -IL07_31.TB.G8.D0_N
differential pair IL07_31.TB.G8.D1: +IL07_31.TB.G8.D1_P -IL07_31.TB.G8.D1_N
differential pair IL07_31.TB.G8.D2: +IL07_31.TB.G8.D2_P -IL07_31.TB.G8.D2_N
differential pair IL07_31.TB.G8.D3: +IL07_31.TB.G8.D3_P -IL07_31.TB.G8.D3_N
differential pair IL07_31.TB.G13.C: +IL07_31.TB.G13.C_P -IL07_31.TB.G13.C_N
differential pair IL07_31.TB.G13.D0: +IL07_31.TB.G13.D0_P -IL07_31.TB.G13.D0_N
differential pair IL07_31.TB.G13.D1: +IL07_31.TB.G13.D1_P -IL07_31.TB.G13.D1_N
differential pair IL07_31.TB.G13.D2: +IL07_31.TB.G13.D2_P -IL07_31.TB.G13.D2_N
differential pair IL07_31.TB.G13.D3: +IL07_31.TB.G13.D3_P -IL07_31.TB.G13.D3_N
differential pair IL07_31.TB.G13.D4: +IL07_31.TB.G13.D4_P -IL07_31.TB.G13.D4_N
differential pair IL07_31.TB.G13.D5: +IL07_31.TB.G13.D5_P -IL07_31.TB.G13.D5_N
differential pair IL07_32.LR.G0.D0: +IL07_32.LR.G0.D0_P -IL07_32.LR.G0.D0_N
differential pair IL07_32.LR.G0.D1: +IL07_32.LR.G0.D1_P -IL07_32.LR.G0.D1_N
differential pair IL07_32.LR.G0.D2: +IL07_32.LR.G0.D2_P -IL07_32.LR.G0.D2_N
differential pair IL07_32.LR.G0.D3: +IL07_32.LR.G0.D3_P -IL07_32.LR.G0.D3_N
differential pair IL07_32.LR.G0.D4: +IL07_32.LR.G0.D4_P -IL07_32.LR.G0.D4_N
differential pair IL07_32.LR.G0.S: +IL07_32.LR.G0.S_P -IL07_32.LR.G0.S_N
differential pair IL07_32.LR.G1.D0: +IL07_32.LR.G1.D0_P -IL07_32.LR.G1.D0_N
differential pair IL07_32.LR.G1.D1: +IL07_32.LR.G1.D1_P -IL07_32.LR.G1.D1_N
differential pair IL07_32.LR.G1.D2: +IL07_32.LR.G1.D2_P -IL07_32.LR.G1.D2_N
differential pair IL07_32.LR.G1.D3: +IL07_32.LR.G1.D3_P -IL07_32.LR.G1.D3_N
differential pair IL07_32.LR.G1.D4: +IL07_32.LR.G1.D4_P -IL07_32.LR.G1.D4_N
differential pair IL07_32.LR.G1.S: +IL07_32.LR.G1.S_P -IL07_32.LR.G1.S_N
differential pair IL07_32.LR.G2.D0: +IL07_32.LR.G2.D0_P -IL07_32.LR.G2.D0_N
differential pair IL07_32.LR.G2.D1: +IL07_32.LR.G2.D1_P -IL07_32.LR.G2.D1_N
differential pair IL07_32.LR.G2.D2: +IL07_32.LR.G2.D2_P -IL07_32.LR.G2.D2_N